# KiCad board Encoder_SPI_AS5047P_panel.kicad_pcb
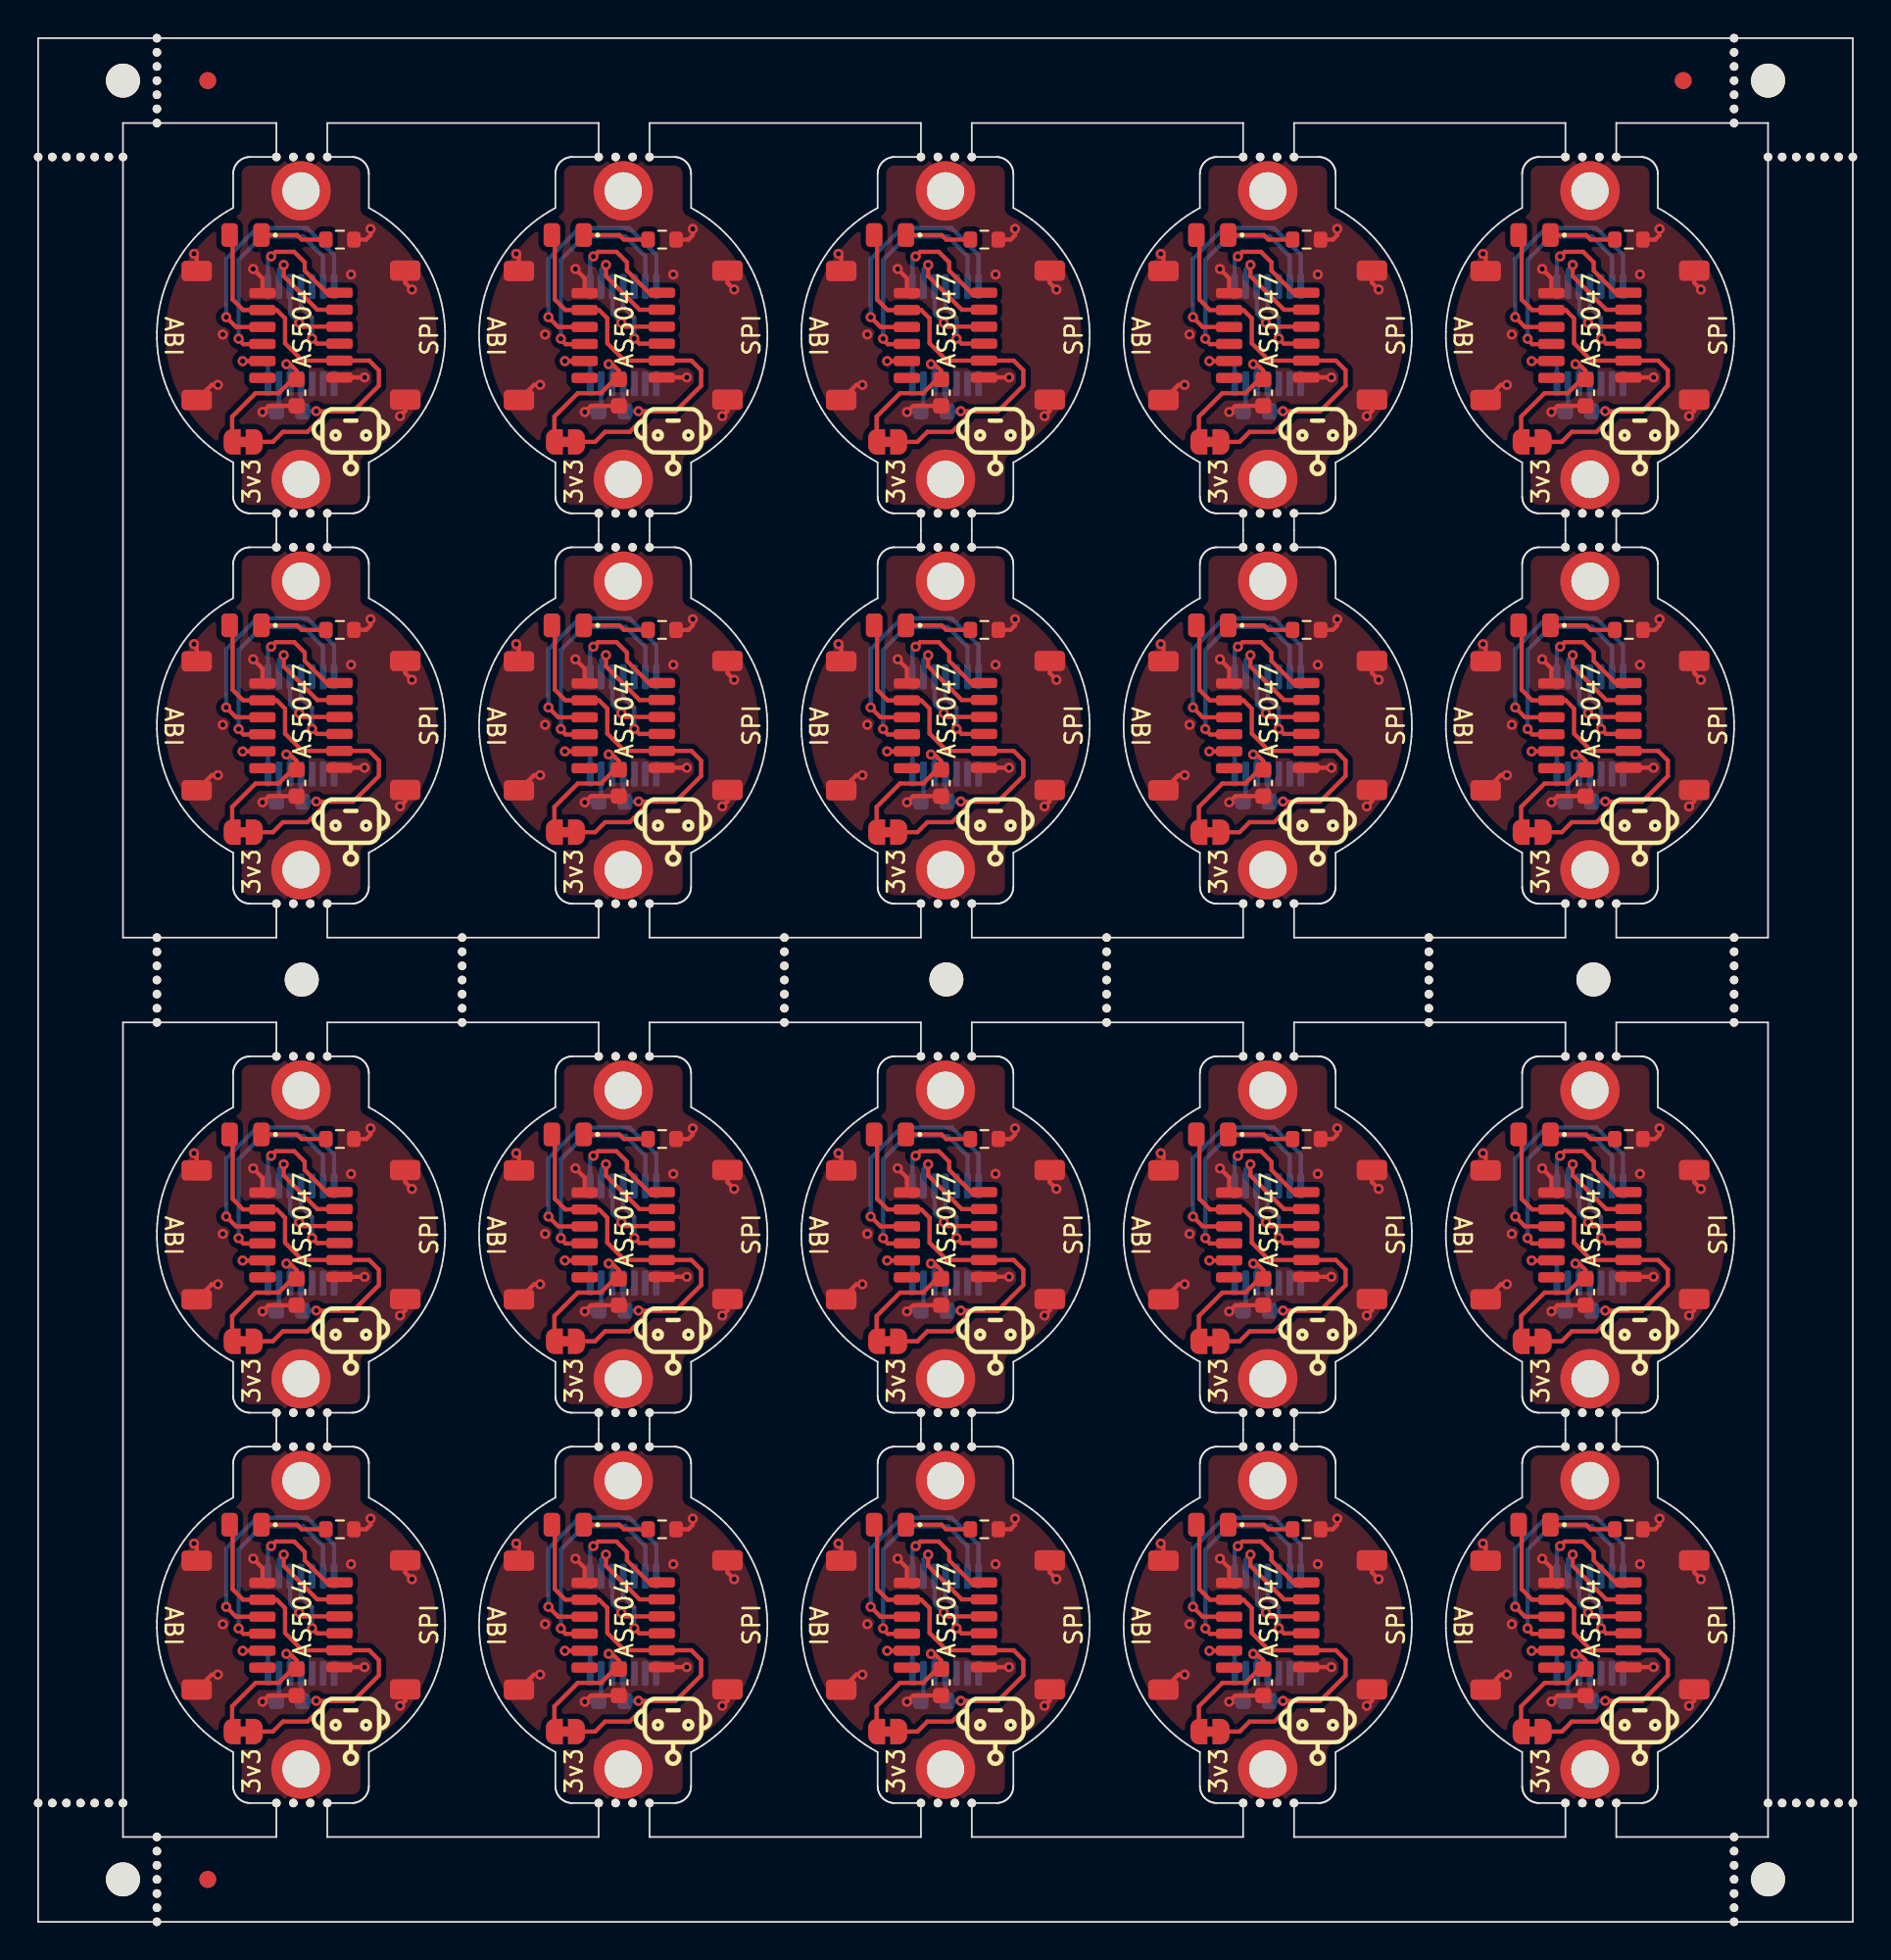
[diagram p0: board, top side]
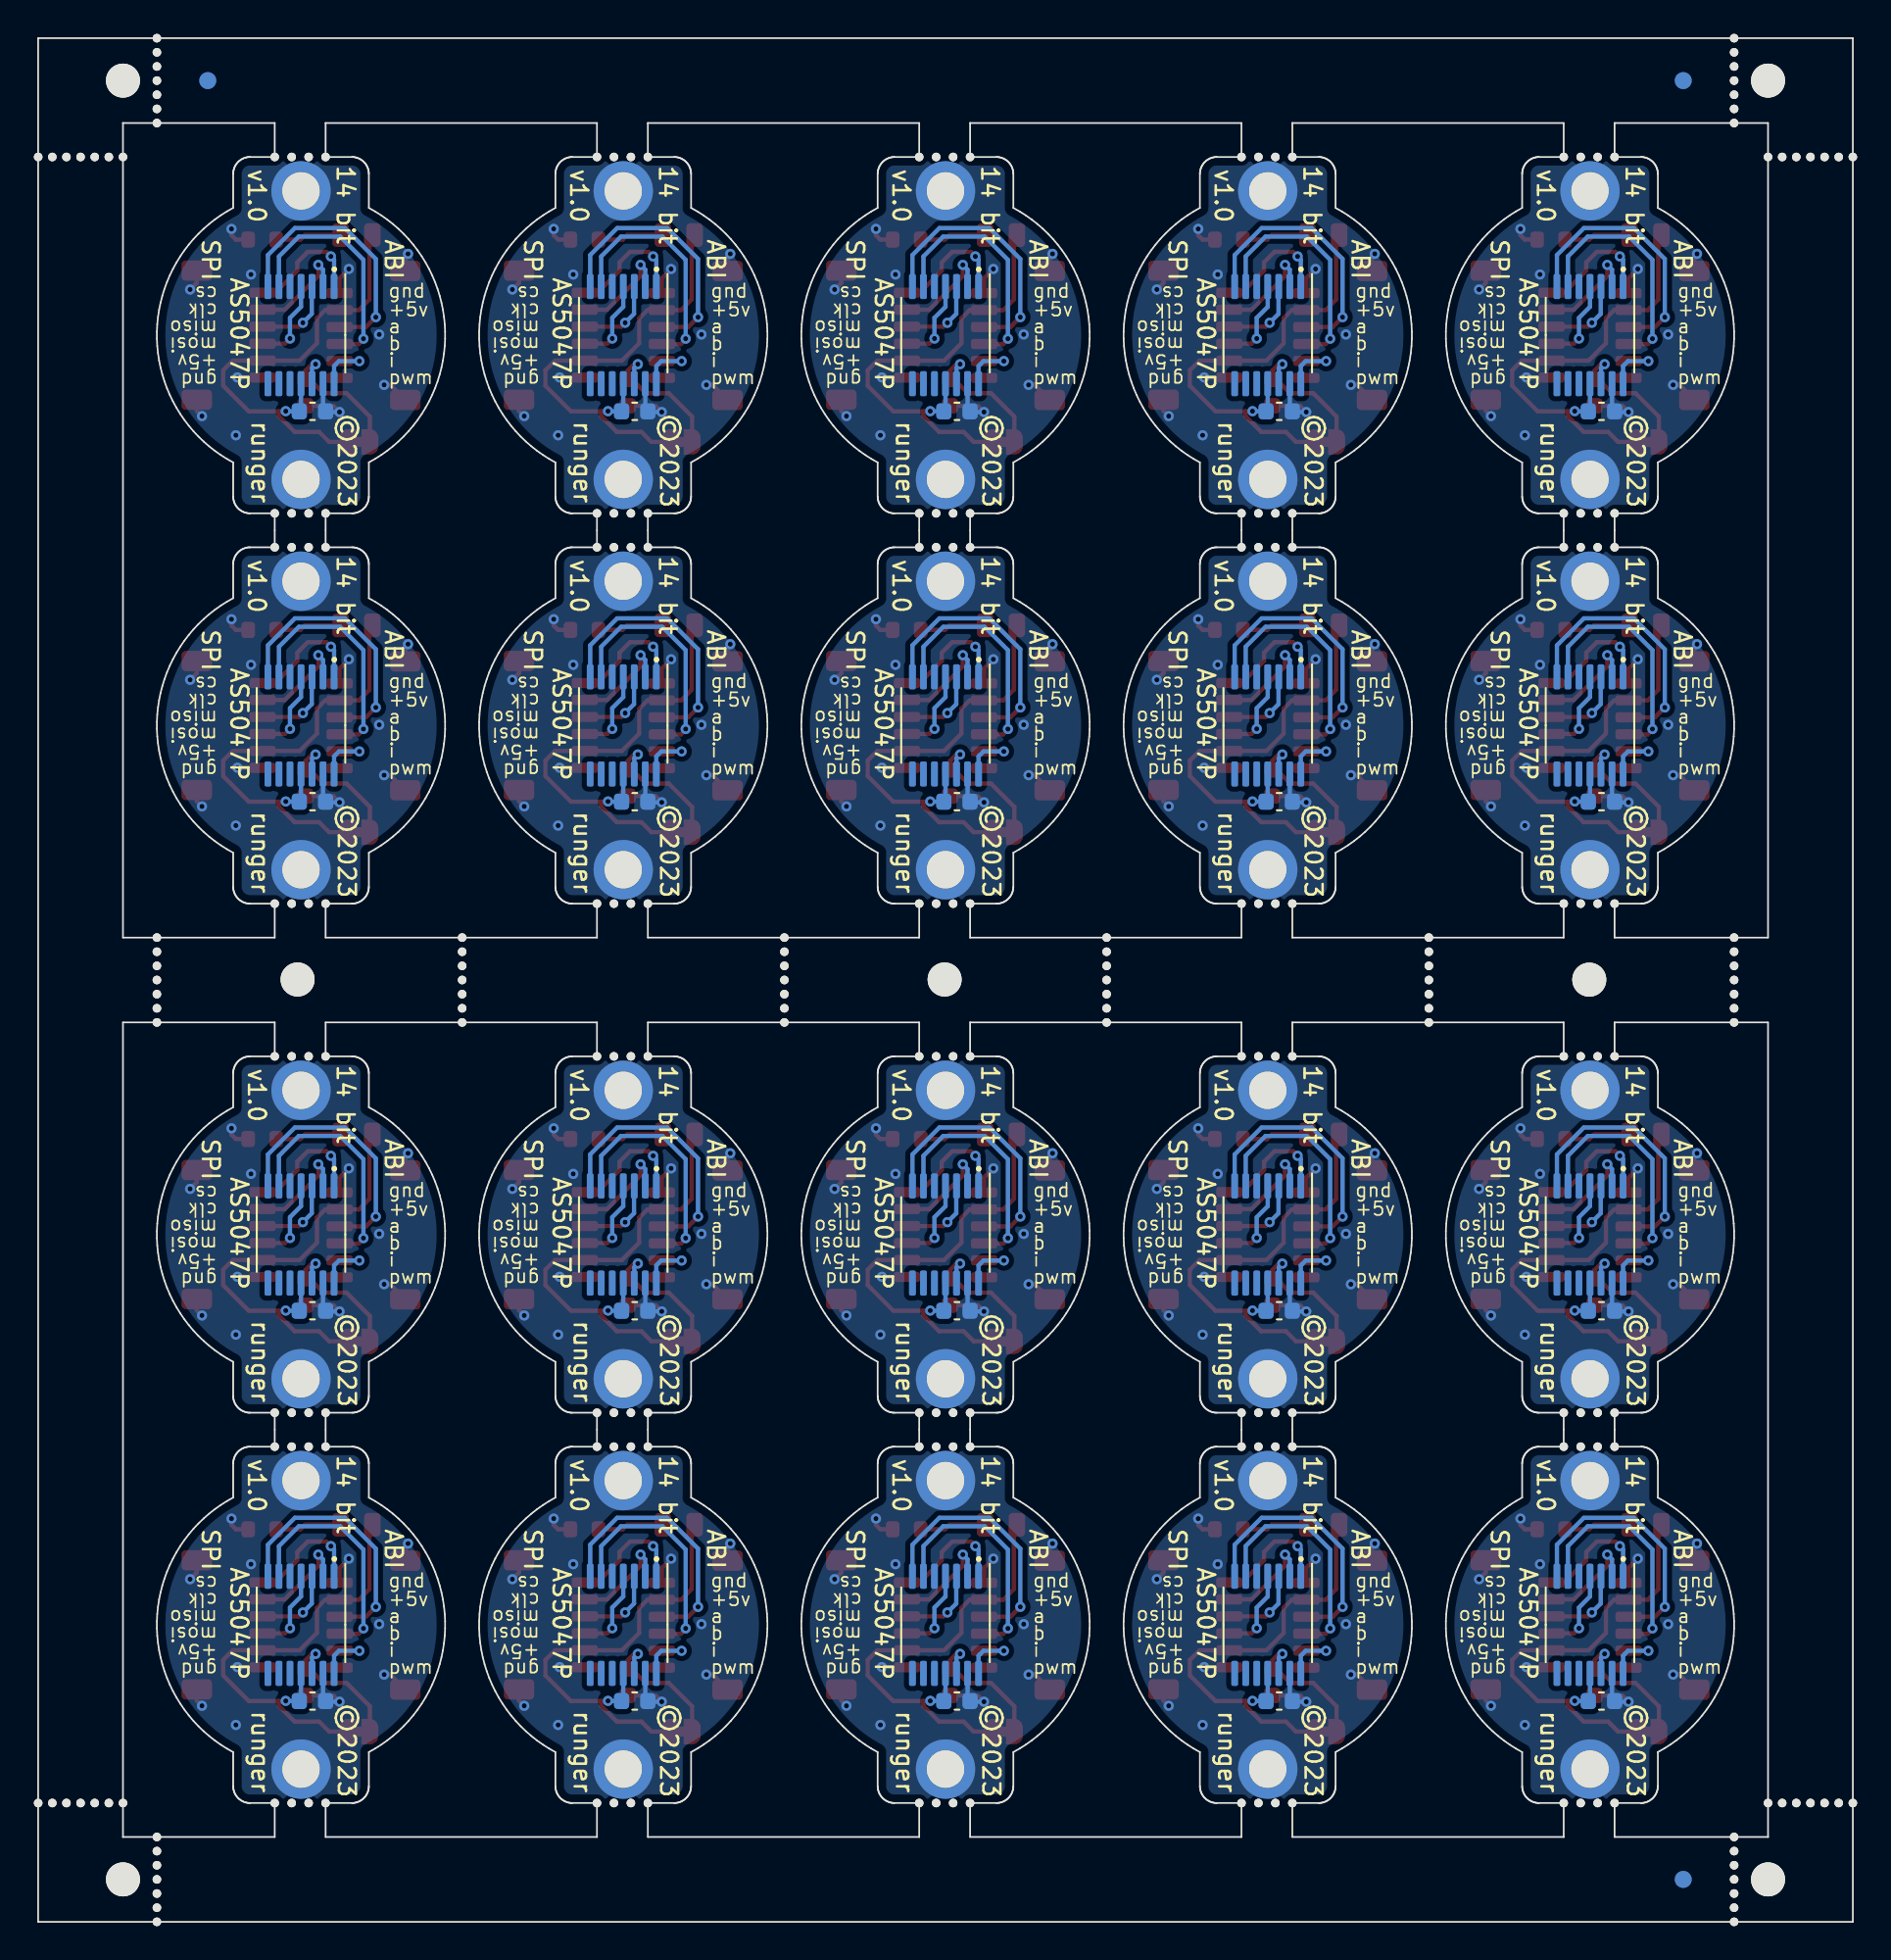
[diagram p1: board, bottom side, seen from below]

Outline 106.99 x 111 mm; copper layers: Top, Bottom. Coordinates in mm from the lower left corner of the outline.
Stack: Top 0.035mm / dielectric 1.51mm FR4 er 4.5 / Bottom 0.035mm

## Placement (name value [footprint] x y rotation side)
C1  1uF 10V  [C_0603_1608Metric]  34.24 37.11 90 top
C1#2  1uF 10V  [C_0603_1608Metric]  53.24 14.11 90 top
C1#3  1uF 10V  [C_0603_1608Metric]  15.24 14.11 90 top
C1#4  1uF 10V  [C_0603_1608Metric]  72.24 14.11 90 top
C1#5  1uF 10V  [C_0603_1608Metric]  72.24 90.11 90 top
C1#6  1uF 10V  [C_0603_1608Metric]  53.24 90.11 90 top
C1#7  1uF 10V  [C_0603_1608Metric]  91.24 37.11 90 top
C1#8  1uF 10V  [C_0603_1608Metric]  15.24 90.11 90 top
C1#9  1uF 10V  [C_0603_1608Metric]  15.24 37.11 90 top
C1#10  1uF 10V  [C_0603_1608Metric]  34.24 67.11 90 top
C1#11  1uF 10V  [C_0603_1608Metric]  15.24 67.11 90 top
C1#12  1uF 10V  [C_0603_1608Metric]  53.24 67.11 90 top
C1#13  1uF 10V  [C_0603_1608Metric]  34.24 14.11 90 top
C1#14  1uF 10V  [C_0603_1608Metric]  72.24 67.11 90 top
C1#15  1uF 10V  [C_0603_1608Metric]  91.24 90.11 90 top
C1#16  1uF 10V  [C_0603_1608Metric]  53.24 37.11 90 top
C1#17  1uF 10V  [C_0603_1608Metric]  91.24 14.11 90 top
C1#18  1uF 10V  [C_0603_1608Metric]  72.24 37.11 90 top
C1#19  1uF 10V  [C_0603_1608Metric]  34.24 90.11 90 top
C1#20  1uF 10V  [C_0603_1608Metric]  91.24 67.11 90 top
C2  100nF 10V  [C_0603_1608Metric]  90.82 89.01 0 bottom
C2#2  100nF 10V  [C_0603_1608Metric]  14.82 13.01 0 bottom
C2#3  100nF 10V  [C_0603_1608Metric]  14.82 66.01 0 bottom
C2#4  100nF 10V  [C_0603_1608Metric]  52.82 13.01 0 bottom
C2#5  100nF 10V  [C_0603_1608Metric]  52.82 89.01 0 bottom
C2#6  100nF 10V  [C_0603_1608Metric]  90.82 13.01 0 bottom
C2#7  100nF 10V  [C_0603_1608Metric]  14.82 89.01 0 bottom
C2#8  100nF 10V  [C_0603_1608Metric]  90.82 36.01 0 bottom
C2#9  100nF 10V  [C_0603_1608Metric]  33.82 89.01 0 bottom
C2#10  100nF 10V  [C_0603_1608Metric]  52.82 66.01 0 bottom
C2#11  100nF 10V  [C_0603_1608Metric]  71.82 66.01 0 bottom
C2#12  100nF 10V  [C_0603_1608Metric]  52.82 36.01 0 bottom
C2#13  100nF 10V  [C_0603_1608Metric]  90.82 66.01 0 bottom
C2#14  100nF 10V  [C_0603_1608Metric]  33.82 36.01 0 bottom
C2#15  100nF 10V  [C_0603_1608Metric]  33.82 13.01 0 bottom
C2#16  100nF 10V  [C_0603_1608Metric]  14.82 36.01 0 bottom
C2#17  100nF 10V  [C_0603_1608Metric]  71.82 36.01 0 bottom
C2#18  100nF 10V  [C_0603_1608Metric]  71.82 89.01 0 bottom
C2#19  100nF 10V  [C_0603_1608Metric]  71.82 13.01 0 bottom
C2#20  100nF 10V  [C_0603_1608Metric]  33.82 66.01 0 bottom
D1  green  [LED_0805_2012Metric]  69.23 23.4 180 top
D1#2  green  [LED_0805_2012Metric]  88.23 99.4 180 top
D1#3  green  [LED_0805_2012Metric]  69.23 46.4 180 top
D1#4  green  [LED_0805_2012Metric]  31.23 99.4 180 top
D1#5  green  [LED_0805_2012Metric]  31.23 76.4 180 top
D1#6  green  [LED_0805_2012Metric]  12.23 99.4 180 top
D1#7  green  [LED_0805_2012Metric]  31.23 23.4 180 top
D1#8  green  [LED_0805_2012Metric]  31.23 46.4 180 top
D1#9  green  [LED_0805_2012Metric]  50.23 76.4 180 top
D1#10  green  [LED_0805_2012Metric]  88.23 23.4 180 top
D1#11  green  [LED_0805_2012Metric]  88.23 76.4 180 top
D1#12  green  [LED_0805_2012Metric]  69.23 99.4 180 top
D1#13  green  [LED_0805_2012Metric]  12.23 46.4 180 top
D1#14  green  [LED_0805_2012Metric]  50.23 46.4 180 top
D1#15  green  [LED_0805_2012Metric]  50.23 23.4 180 top
D1#16  green  [LED_0805_2012Metric]  88.23 46.4 180 top
D1#17  green  [LED_0805_2012Metric]  12.23 23.4 180 top
D1#18  green  [LED_0805_2012Metric]  12.23 76.4 180 top
D1#19  green  [LED_0805_2012Metric]  50.23 99.4 180 top
D1#20  green  [LED_0805_2012Metric]  69.23 76.4 180 top
H1  MountingHole_Pad  [MountingHole_2.2mm_M2_ISO7380_Pad]  72.5 9 90 top
H1#2  MountingHole_Pad  [MountingHole_2.2mm_M2_ISO7380_Pad]  53.5 32 90 top
H1#3  MountingHole_Pad  [MountingHole_2.2mm_M2_ISO7380_Pad]  15.5 62 90 top
H1#4  MountingHole_Pad  [MountingHole_2.2mm_M2_ISO7380_Pad]  15.5 32 90 top
H1#5  MountingHole_Pad  [MountingHole_2.2mm_M2_ISO7380_Pad]  91.5 9 90 top
H1#6  MountingHole_Pad  [MountingHole_2.2mm_M2_ISO7380_Pad]  91.5 85 90 top
H1#7  MountingHole_Pad  [MountingHole_2.2mm_M2_ISO7380_Pad]  34.5 32 90 top
H1#8  MountingHole_Pad  [MountingHole_2.2mm_M2_ISO7380_Pad]  72.5 32 90 top
H1#9  MountingHole_Pad  [MountingHole_2.2mm_M2_ISO7380_Pad]  91.5 62 90 top
H1#10  MountingHole_Pad  [MountingHole_2.2mm_M2_ISO7380_Pad]  34.5 85 90 top
H1#11  MountingHole_Pad  [MountingHole_2.2mm_M2_ISO7380_Pad]  34.5 9 90 top
H1#12  MountingHole_Pad  [MountingHole_2.2mm_M2_ISO7380_Pad]  15.5 85 90 top
H1#13  MountingHole_Pad  [MountingHole_2.2mm_M2_ISO7380_Pad]  53.5 85 90 top
H1#14  MountingHole_Pad  [MountingHole_2.2mm_M2_ISO7380_Pad]  53.5 62 90 top
H1#15  MountingHole_Pad  [MountingHole_2.2mm_M2_ISO7380_Pad]  72.5 62 90 top
H1#16  MountingHole_Pad  [MountingHole_2.2mm_M2_ISO7380_Pad]  91.5 32 90 top
H1#17  MountingHole_Pad  [MountingHole_2.2mm_M2_ISO7380_Pad]  34.5 62 90 top
H1#18  MountingHole_Pad  [MountingHole_2.2mm_M2_ISO7380_Pad]  72.5 85 90 top
H1#19  MountingHole_Pad  [MountingHole_2.2mm_M2_ISO7380_Pad]  53.5 9 90 top
H1#20  MountingHole_Pad  [MountingHole_2.2mm_M2_ISO7380_Pad]  15.5 9 90 top
H2  MountingHole_Pad  [MountingHole_2.2mm_M2_ISO7380_Pad]  34.5 49 90 top
H2#2  MountingHole_Pad  [MountingHole_2.2mm_M2_ISO7380_Pad]  53.5 26 90 top
H2#3  MountingHole_Pad  [MountingHole_2.2mm_M2_ISO7380_Pad]  72.5 102 90 top
H2#4  MountingHole_Pad  [MountingHole_2.2mm_M2_ISO7380_Pad]  15.5 102 90 top
H2#5  MountingHole_Pad  [MountingHole_2.2mm_M2_ISO7380_Pad]  91.5 102 90 top
H2#6  MountingHole_Pad  [MountingHole_2.2mm_M2_ISO7380_Pad]  15.5 79 90 top
H2#7  MountingHole_Pad  [MountingHole_2.2mm_M2_ISO7380_Pad]  53.5 102 90 top
H2#8  MountingHole_Pad  [MountingHole_2.2mm_M2_ISO7380_Pad]  34.5 79 90 top
H2#9  MountingHole_Pad  [MountingHole_2.2mm_M2_ISO7380_Pad]  15.5 49 90 top
H2#10  MountingHole_Pad  [MountingHole_2.2mm_M2_ISO7380_Pad]  72.5 79 90 top
H2#11  MountingHole_Pad  [MountingHole_2.2mm_M2_ISO7380_Pad]  34.5 102 90 top
H2#12  MountingHole_Pad  [MountingHole_2.2mm_M2_ISO7380_Pad]  53.5 49 90 top
H2#13  MountingHole_Pad  [MountingHole_2.2mm_M2_ISO7380_Pad]  34.5 26 90 top
H2#14  MountingHole_Pad  [MountingHole_2.2mm_M2_ISO7380_Pad]  91.5 26 90 top
H2#15  MountingHole_Pad  [MountingHole_2.2mm_M2_ISO7380_Pad]  72.5 26 90 top
H2#16  MountingHole_Pad  [MountingHole_2.2mm_M2_ISO7380_Pad]  91.5 79 90 top
H2#17  MountingHole_Pad  [MountingHole_2.2mm_M2_ISO7380_Pad]  15.5 26 90 top
H2#18  MountingHole_Pad  [MountingHole_2.2mm_M2_ISO7380_Pad]  91.5 49 90 top
H2#19  MountingHole_Pad  [MountingHole_2.2mm_M2_ISO7380_Pad]  72.5 49 90 top
H2#20  MountingHole_Pad  [MountingHole_2.2mm_M2_ISO7380_Pad]  53.5 79 90 top
J1  Conn_01x06_MountingPin  [JST_SH_SM06B-SRSS-TB_1x06-1MP_P1.00mm_Horizontal]  19.77 93.5 90 top
J1#2  Conn_01x06_MountingPin  [JST_SH_SM06B-SRSS-TB_1x06-1MP_P1.00mm_Horizontal]  38.77 70.5 90 top
J1#3  Conn_01x06_MountingPin  [JST_SH_SM06B-SRSS-TB_1x06-1MP_P1.00mm_Horizontal]  76.77 70.5 90 top
J1#4  Conn_01x06_MountingPin  [JST_SH_SM06B-SRSS-TB_1x06-1MP_P1.00mm_Horizontal]  38.77 40.5 90 top
J1#5  Conn_01x06_MountingPin  [JST_SH_SM06B-SRSS-TB_1x06-1MP_P1.00mm_Horizontal]  76.77 17.5 90 top
J1#6  Conn_01x06_MountingPin  [JST_SH_SM06B-SRSS-TB_1x06-1MP_P1.00mm_Horizontal]  38.77 93.5 90 top
J1#7  Conn_01x06_MountingPin  [JST_SH_SM06B-SRSS-TB_1x06-1MP_P1.00mm_Horizontal]  95.77 70.5 90 top
J1#8  Conn_01x06_MountingPin  [JST_SH_SM06B-SRSS-TB_1x06-1MP_P1.00mm_Horizontal]  19.77 40.5 90 top
J1#9  Conn_01x06_MountingPin  [JST_SH_SM06B-SRSS-TB_1x06-1MP_P1.00mm_Horizontal]  57.77 93.5 90 top
J1#10  Conn_01x06_MountingPin  [JST_SH_SM06B-SRSS-TB_1x06-1MP_P1.00mm_Horizontal]  76.77 93.5 90 top
J1#11  Conn_01x06_MountingPin  [JST_SH_SM06B-SRSS-TB_1x06-1MP_P1.00mm_Horizontal]  57.77 40.5 90 top
J1#12  Conn_01x06_MountingPin  [JST_SH_SM06B-SRSS-TB_1x06-1MP_P1.00mm_Horizontal]  57.77 70.5 90 top
J1#13  Conn_01x06_MountingPin  [JST_SH_SM06B-SRSS-TB_1x06-1MP_P1.00mm_Horizontal]  38.77 17.5 90 top
J1#14  Conn_01x06_MountingPin  [JST_SH_SM06B-SRSS-TB_1x06-1MP_P1.00mm_Horizontal]  95.77 93.5 90 top
J1#15  Conn_01x06_MountingPin  [JST_SH_SM06B-SRSS-TB_1x06-1MP_P1.00mm_Horizontal]  76.77 40.5 90 top
J1#16  Conn_01x06_MountingPin  [JST_SH_SM06B-SRSS-TB_1x06-1MP_P1.00mm_Horizontal]  57.77 17.5 90 top
J1#17  Conn_01x06_MountingPin  [JST_SH_SM06B-SRSS-TB_1x06-1MP_P1.00mm_Horizontal]  19.77 17.5 90 top
J1#18  Conn_01x06_MountingPin  [JST_SH_SM06B-SRSS-TB_1x06-1MP_P1.00mm_Horizontal]  95.77 40.5 90 top
J1#19  Conn_01x06_MountingPin  [JST_SH_SM06B-SRSS-TB_1x06-1MP_P1.00mm_Horizontal]  19.77 70.5 90 top
J1#20  Conn_01x06_MountingPin  [JST_SH_SM06B-SRSS-TB_1x06-1MP_P1.00mm_Horizontal]  95.77 17.5 90 top
J2  Conn_01x06_MountingPin  [JST_SH_SM06B-SRSS-TB_1x06-1MP_P1.00mm_Horizontal]  30.22 40.48 270 top
J2#2  Conn_01x06_MountingPin  [JST_SH_SM06B-SRSS-TB_1x06-1MP_P1.00mm_Horizontal]  87.22 93.48 270 top
J2#3  Conn_01x06_MountingPin  [JST_SH_SM06B-SRSS-TB_1x06-1MP_P1.00mm_Horizontal]  87.22 40.48 270 top
J2#4  Conn_01x06_MountingPin  [JST_SH_SM06B-SRSS-TB_1x06-1MP_P1.00mm_Horizontal]  87.22 17.48 270 top
J2#5  Conn_01x06_MountingPin  [JST_SH_SM06B-SRSS-TB_1x06-1MP_P1.00mm_Horizontal]  30.22 70.48 270 top
J2#6  Conn_01x06_MountingPin  [JST_SH_SM06B-SRSS-TB_1x06-1MP_P1.00mm_Horizontal]  49.22 40.48 270 top
J2#7  Conn_01x06_MountingPin  [JST_SH_SM06B-SRSS-TB_1x06-1MP_P1.00mm_Horizontal]  49.22 93.48 270 top
J2#8  Conn_01x06_MountingPin  [JST_SH_SM06B-SRSS-TB_1x06-1MP_P1.00mm_Horizontal]  11.22 70.48 270 top
J2#9  Conn_01x06_MountingPin  [JST_SH_SM06B-SRSS-TB_1x06-1MP_P1.00mm_Horizontal]  30.22 17.48 270 top
J2#10  Conn_01x06_MountingPin  [JST_SH_SM06B-SRSS-TB_1x06-1MP_P1.00mm_Horizontal]  49.22 17.48 270 top
J2#11  Conn_01x06_MountingPin  [JST_SH_SM06B-SRSS-TB_1x06-1MP_P1.00mm_Horizontal]  68.22 17.48 270 top
J2#12  Conn_01x06_MountingPin  [JST_SH_SM06B-SRSS-TB_1x06-1MP_P1.00mm_Horizontal]  87.22 70.48 270 top
J2#13  Conn_01x06_MountingPin  [JST_SH_SM06B-SRSS-TB_1x06-1MP_P1.00mm_Horizontal]  11.22 17.48 270 top
J2#14  Conn_01x06_MountingPin  [JST_SH_SM06B-SRSS-TB_1x06-1MP_P1.00mm_Horizontal]  30.22 93.48 270 top
J2#15  Conn_01x06_MountingPin  [JST_SH_SM06B-SRSS-TB_1x06-1MP_P1.00mm_Horizontal]  68.22 93.48 270 top
J2#16  Conn_01x06_MountingPin  [JST_SH_SM06B-SRSS-TB_1x06-1MP_P1.00mm_Horizontal]  49.22 70.48 270 top
J2#17  Conn_01x06_MountingPin  [JST_SH_SM06B-SRSS-TB_1x06-1MP_P1.00mm_Horizontal]  11.22 93.48 270 top
J2#18  Conn_01x06_MountingPin  [JST_SH_SM06B-SRSS-TB_1x06-1MP_P1.00mm_Horizontal]  68.22 40.48 270 top
J2#19  Conn_01x06_MountingPin  [JST_SH_SM06B-SRSS-TB_1x06-1MP_P1.00mm_Horizontal]  11.22 40.48 270 top
J2#20  Conn_01x06_MountingPin  [JST_SH_SM06B-SRSS-TB_1x06-1MP_P1.00mm_Horizontal]  68.22 70.48 270 top
JP1  SolderJumper_2_Bridged  [SolderJumper-2_P1.3mm_Bridged_RoundedPad1.0x1.5mm]  88.09 87.21 0 top
JP1#2  SolderJumper_2_Bridged  [SolderJumper-2_P1.3mm_Bridged_RoundedPad1.0x1.5mm]  69.09 34.21 0 top
JP1#3  SolderJumper_2_Bridged  [SolderJumper-2_P1.3mm_Bridged_RoundedPad1.0x1.5mm]  31.09 64.21 0 top
JP1#4  SolderJumper_2_Bridged  [SolderJumper-2_P1.3mm_Bridged_RoundedPad1.0x1.5mm]  88.09 34.21 0 top
JP1#5  SolderJumper_2_Bridged  [SolderJumper-2_P1.3mm_Bridged_RoundedPad1.0x1.5mm]  88.09 64.21 0 top
JP1#6  SolderJumper_2_Bridged  [SolderJumper-2_P1.3mm_Bridged_RoundedPad1.0x1.5mm]  50.09 34.21 0 top
JP1#7  SolderJumper_2_Bridged  [SolderJumper-2_P1.3mm_Bridged_RoundedPad1.0x1.5mm]  12.09 87.21 0 top
JP1#8  SolderJumper_2_Bridged  [SolderJumper-2_P1.3mm_Bridged_RoundedPad1.0x1.5mm]  69.09 87.21 0 top
JP1#9  SolderJumper_2_Bridged  [SolderJumper-2_P1.3mm_Bridged_RoundedPad1.0x1.5mm]  50.09 11.21 0 top
JP1#10  SolderJumper_2_Bridged  [SolderJumper-2_P1.3mm_Bridged_RoundedPad1.0x1.5mm]  50.09 64.21 0 top
JP1#11  SolderJumper_2_Bridged  [SolderJumper-2_P1.3mm_Bridged_RoundedPad1.0x1.5mm]  69.09 11.21 0 top
JP1#12  SolderJumper_2_Bridged  [SolderJumper-2_P1.3mm_Bridged_RoundedPad1.0x1.5mm]  12.09 34.21 0 top
JP1#13  SolderJumper_2_Bridged  [SolderJumper-2_P1.3mm_Bridged_RoundedPad1.0x1.5mm]  69.09 64.21 0 top
JP1#14  SolderJumper_2_Bridged  [SolderJumper-2_P1.3mm_Bridged_RoundedPad1.0x1.5mm]  31.09 34.21 0 top
JP1#15  SolderJumper_2_Bridged  [SolderJumper-2_P1.3mm_Bridged_RoundedPad1.0x1.5mm]  31.09 11.21 0 top
JP1#16  SolderJumper_2_Bridged  [SolderJumper-2_P1.3mm_Bridged_RoundedPad1.0x1.5mm]  12.09 11.21 0 top
JP1#17  SolderJumper_2_Bridged  [SolderJumper-2_P1.3mm_Bridged_RoundedPad1.0x1.5mm]  50.09 87.21 0 top
JP1#18  SolderJumper_2_Bridged  [SolderJumper-2_P1.3mm_Bridged_RoundedPad1.0x1.5mm]  12.09 64.21 0 top
JP1#19  SolderJumper_2_Bridged  [SolderJumper-2_P1.3mm_Bridged_RoundedPad1.0x1.5mm]  31.09 87.21 0 top
JP1#20  SolderJumper_2_Bridged  [SolderJumper-2_P1.3mm_Bridged_RoundedPad1.0x1.5mm]  88.09 11.21 0 top
L1  Robo_Logo  [Robo_logo2]  94.44 87.23 180 top
L1#2  Robo_Logo  [Robo_logo2]  56.44 87.23 180 top
L1#3  Robo_Logo  [Robo_logo2]  18.44 64.23 180 top
L1#4  Robo_Logo  [Robo_logo2]  75.44 64.23 180 top
L1#5  Robo_Logo  [Robo_logo2]  94.44 64.23 180 top
L1#6  Robo_Logo  [Robo_logo2]  18.44 11.23 180 top
L1#7  Robo_Logo  [Robo_logo2]  94.44 11.23 180 top
L1#8  Robo_Logo  [Robo_logo2]  18.44 34.23 180 top
L1#9  Robo_Logo  [Robo_logo2]  75.44 11.23 180 top
L1#10  Robo_Logo  [Robo_logo2]  75.44 87.23 180 top
L1#11  Robo_Logo  [Robo_logo2]  37.44 11.23 180 top
L1#12  Robo_Logo  [Robo_logo2]  75.44 34.23 180 top
L1#13  Robo_Logo  [Robo_logo2]  94.44 34.23 180 top
L1#14  Robo_Logo  [Robo_logo2]  56.44 11.23 180 top
L1#15  Robo_Logo  [Robo_logo2]  37.44 34.23 180 top
L1#16  Robo_Logo  [Robo_logo2]  37.44 64.23 180 top
L1#17  Robo_Logo  [Robo_logo2]  18.44 87.23 180 top
L1#18  Robo_Logo  [Robo_logo2]  56.44 64.23 180 top
L1#19  Robo_Logo  [Robo_logo2]  37.44 87.23 180 top
L1#20  Robo_Logo  [Robo_logo2]  56.44 34.23 180 top
R1  2k2  [R_0603_1608Metric]  93.79 23.13 0 top
R1#2  2k2  [R_0603_1608Metric]  93.79 46.13 0 top
R1#3  2k2  [R_0603_1608Metric]  17.79 99.13 0 top
R1#4  2k2  [R_0603_1608Metric]  74.79 99.13 0 top
R1#5  2k2  [R_0603_1608Metric]  93.79 76.13 0 top
R1#6  2k2  [R_0603_1608Metric]  55.79 23.13 0 top
R1#7  2k2  [R_0603_1608Metric]  55.79 99.13 0 top
R1#8  2k2  [R_0603_1608Metric]  74.79 23.13 0 top
R1#9  2k2  [R_0603_1608Metric]  36.79 99.13 0 top
R1#10  2k2  [R_0603_1608Metric]  55.79 46.13 0 top
R1#11  2k2  [R_0603_1608Metric]  36.79 76.13 0 top
R1#12  2k2  [R_0603_1608Metric]  17.79 23.13 0 top
R1#13  2k2  [R_0603_1608Metric]  74.79 76.13 0 top
R1#14  2k2  [R_0603_1608Metric]  17.79 76.13 0 top
R1#15  2k2  [R_0603_1608Metric]  55.79 76.13 0 top
R1#16  2k2  [R_0603_1608Metric]  17.79 46.13 0 top
R1#17  2k2  [R_0603_1608Metric]  93.79 99.13 0 top
R1#18  2k2  [R_0603_1608Metric]  36.79 46.13 0 top
R1#19  2k2  [R_0603_1608Metric]  74.79 46.13 0 top
R1#20  2k2  [R_0603_1608Metric]  36.79 23.13 0 top
REF**  -  [NPTH]  99.99 106.83 0 top
REF**#2  -  [NPTH]  73.05 51 0 top
REF**#3  -  [NPTH]  4.17 104 0 top
REF**#4  -  [NPTH]  99.99 56.33 0 top
REF**#5  -  [NPTH]  15.05 7 0 top
REF**#6  -  [NPTH]  99.99 57.17 0 top
REF**#7  -  [NPTH]  82 55.5 0 top
REF**#8  -  [NPTH]  71.05 7 0 top
REF**#9  -  [NPTH]  54.05 60 0 top
REF**#10  -  [NPTH]  16.05 7 0 top
REF**#11  -  [NPTH]  104.49 104 0 top
REF**#12  -  [NPTH]  25 58 0 top
REF**#13  -  [NPTH]  16.05 51 0 top
REF**#14  -  [NPTH]  53.05 83 0 top
REF**#15  -  [NPTH]  7 0.83 0 top
REF**#16  -  [NPTH]  25 54.67 0 top
REF**#17  -  [NPTH]  3.33 104 0 top
REF**#18  -  [NPTH]  53.05 60 0 top
REF**#19  -  [NPTH]  0.83 104 0 top
REF**#20  -  [NPTH]  99.99 55.5 0 top
REF**#21  -  [NPTH]  7 56.33 0 top
REF**#22  -  [NPTH]  106.99 7 0 top
REF**#23  -  [NPTH]  54.05 104 0 top
REF**#24  -  [NPTH]  101.99 104 0 top
REF**#25  -  [NPTH]  54.05 30 0 top
REF**#26  -  [NPTH]  71.05 83 0 top
REF**#27  -  [NPTH]  91.05 28 0 top
REF**#28  -  [NPTH]  91.05 51 0 top
REF**#29  -  [NPTH]  63 54.67 0 top
REF**#30  -  [NPTH]  82 57.17 0 top
REF**#31  -  [NPTH]  16.05 28 0 top
REF**#32  -  [NPTH]  0.83 7 0 top
REF**#33  -  [NPTH]  106.99 104 0 top
REF**#34  -  [NPTH]  92.05 30 0 top
REF**#35  -  [NPTH]  104.49 7 0 top
REF**#36  -  [NPTH]  15.05 28 0 top
REF**#37  -  [NPTH]  105.33 7 0 top
REF**#38  -  [NPTH]  91.05 83 0 top
REF**#39  -  [NPTH]  14.05 81 0 top
REF**#40  -  [NPTH]  17.05 60 0 top
REF**#41  -  [NPTH]  35.05 28 0 top
REF**#42  -  [NPTH]  0 7 0 top
REF**#43  -  [NPTH]  55.05 81 0 top
REF**#44  -  [NPTH]  54.05 81 0 top
REF**#45  -  [NPTH]  93.05 28 0 top
REF**#46  -  [NPTH]  71.05 104 0 top
REF**#47  -  [NPTH]  14.05 7 0 top
REF**#48  -  [NPTH]  74.05 51 0 top
REF**#49  -  [NPTH]  93.05 81 0 top
REF**#50  -  [NPTH]  35.05 7 0 top
REF**#51  -  [NPTH]  33.05 28 0 top
REF**#52  -  [NPTH]  52.05 81 0 top
REF**#53  -  [NPTH]  35.05 30 0 top
REF**#54  -  [NPTH]  44 54.67 0 top
REF**#55  -  [NPTH]  44 56.33 0 top
REF**#56  -  [NPTH]  90.05 7 0 top
REF**#57  -  [NPTH]  7 53 0 top
REF**#58  -  [NPTH]  92.05 51 0 top
REF**#59  -  [NPTH]  55.05 104 0 top
REF**#60  -  [NPTH]  54.05 7 0 top
REF**#61  -  [NPTH#2]  5 108.5 0 top
REF**#62  -  [NPTH]  52.05 30 0 top
REF**#63  -  [NPTH]  35.05 104 0 top
REF**#64  -  [NPTH]  33.05 83 0 top
REF**#65  -  [NPTH]  7 5 0 top
REF**#66  -  [NPTH]  71.05 60 0 top
REF**#67  -  [NPTH]  105.33 104 0 top
REF**#68  -  [NPTH]  7 0 0 top
REF**#69  -  [NPTH#2]  91.7 55.53 0 top
REF**#70  -  [NPTH]  0 104 0 top
REF**#71  -  [NPTH]  92.05 104 0 top
REF**#72  -  [NPTH]  34.05 104 0 top
REF**#73  -  [NPTH]  101.99 7 0 top
REF**#74  -  [NPTH]  1.67 104 0 top
REF**#75  -  [NPTH]  72.05 83 0 top
REF**#76  -  [NPTH]  99.99 53.83 0 top
REF**#77  -  [NPTH]  74.05 30 0 top
REF**#78  -  [NPTH]  93.05 51 0 top
REF**#79  -  [NPTH]  91.05 7 0 top
REF**#80  -  [NPTH]  53.05 28 0 top
REF**#81  -  [NPTH]  99.99 0.83 0 top
REF**#82  -  [NPTH]  35.05 60 0 top
REF**#83  -  [NPTH]  44 53 0 top
REF**#84  -  [NPTH]  91.05 104 0 top
REF**#85  -  [NPTH]  72.05 60 0 top
REF**#86  -  [NPTH]  44 55.5 0 top
REF**#87  -  [NPTH]  54.05 83 0 top
REF**#88  -  [NPTH]  63 55.5 0 top
REF**#89  -  [NPTH]  17.05 28 0 top
REF**#90  -  [NPTH]  44 57.17 0 top
REF**#91  -  [NPTH]  35.05 51 0 top
REF**#92  -  [NPTH]  103.66 104 0 top
REF**#93  -  [NPTH]  34.05 30 0 top
REF**#94  -  [NPTH]  7 53.83 0 top